# Altium PCB PCB1_1.pcbdoc (part 1 of 3)
Units mil, origin at the board's own origin, x right, y up, seen from the top; angles counter-clockwise.
Board outline 12887.67 x 6224.24 mil, 2 copper layers (Top Layer, Bottom Layer); 396 components, 233 nets, 925 pads, 502 vias.
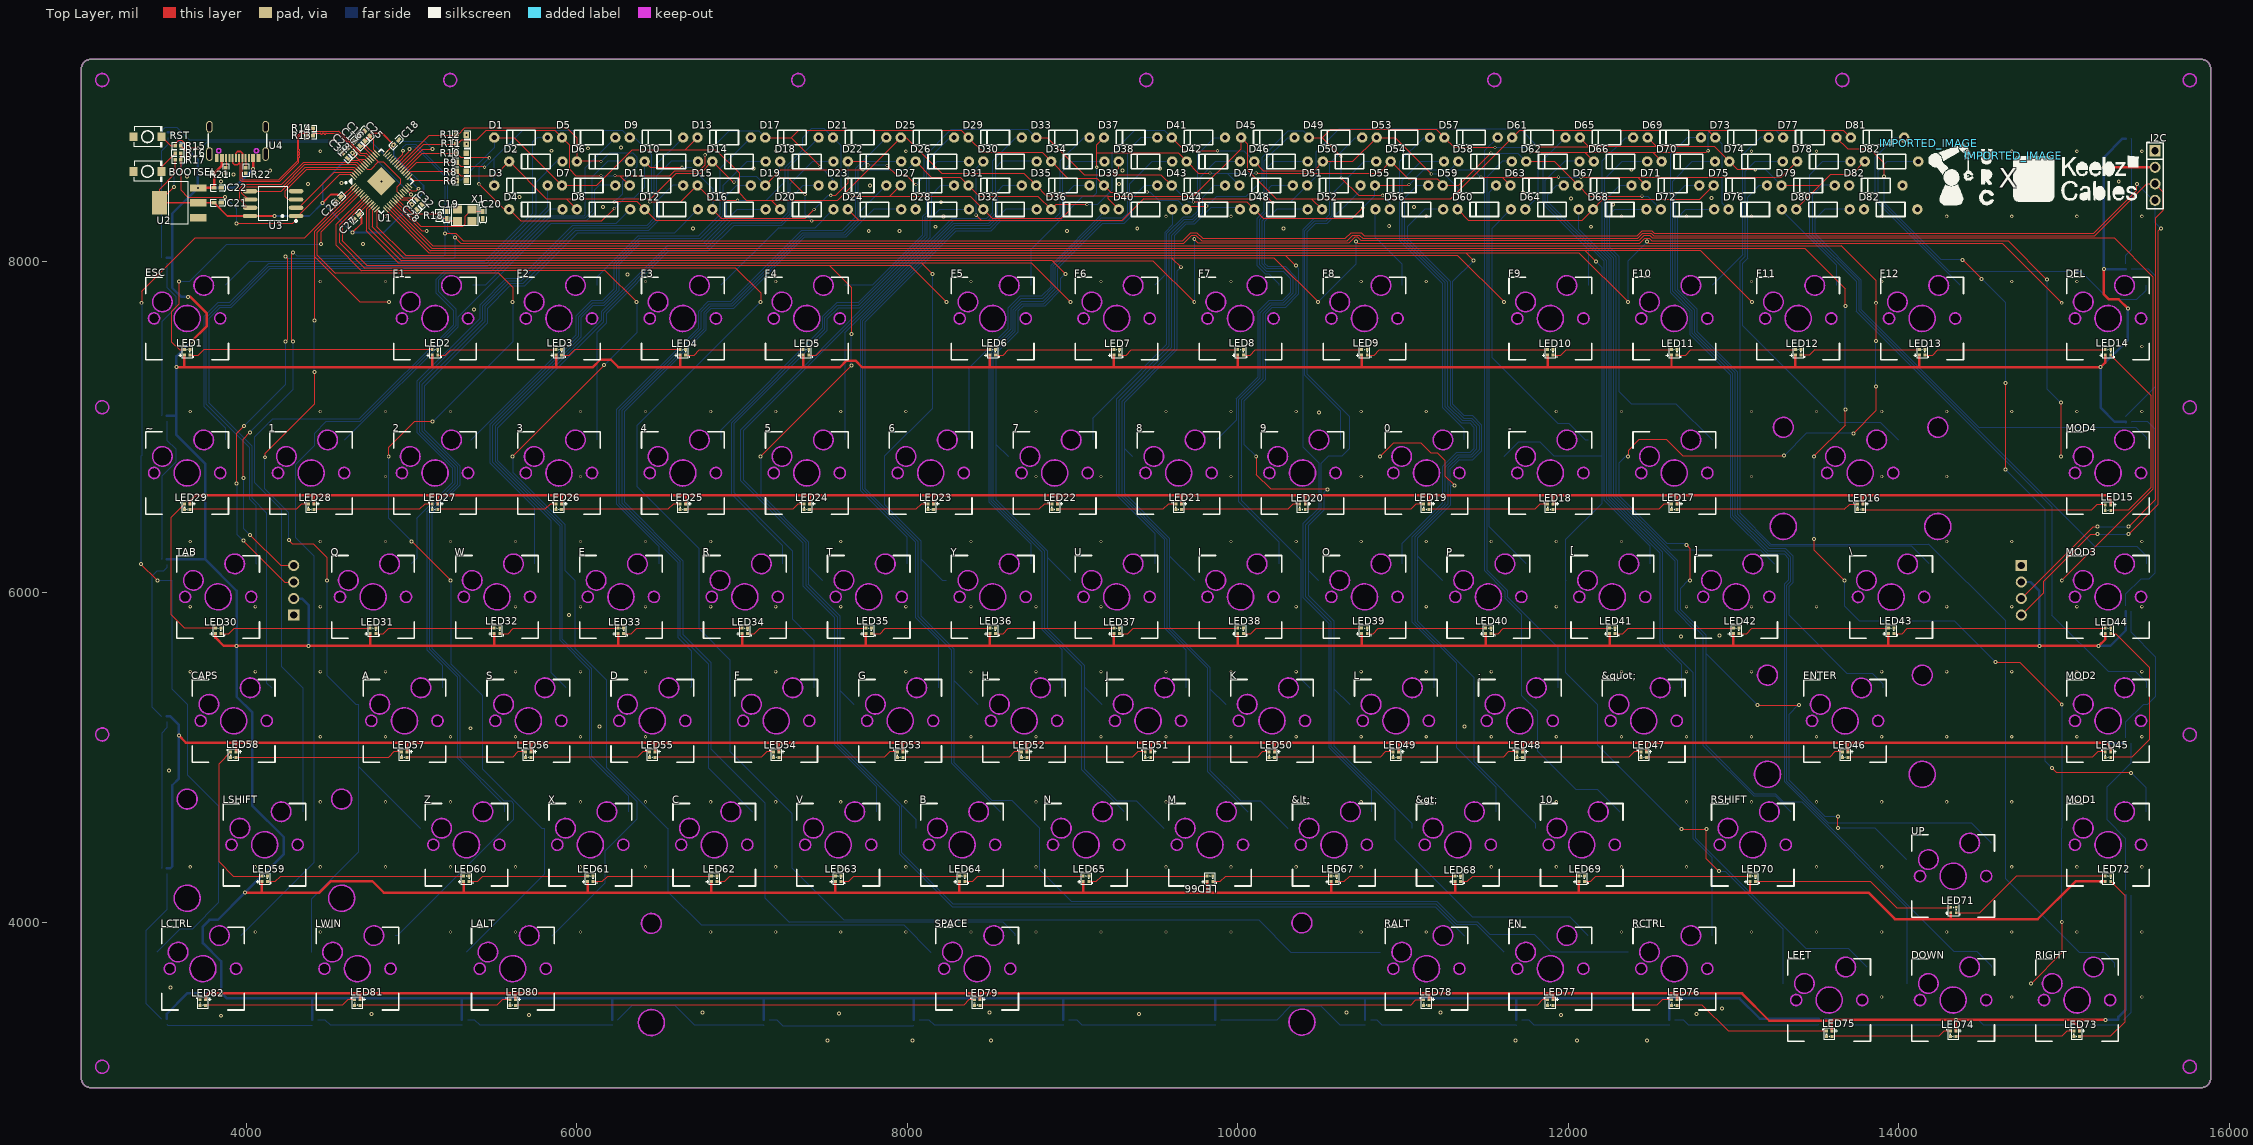
[diagram p0: Top Layer view]
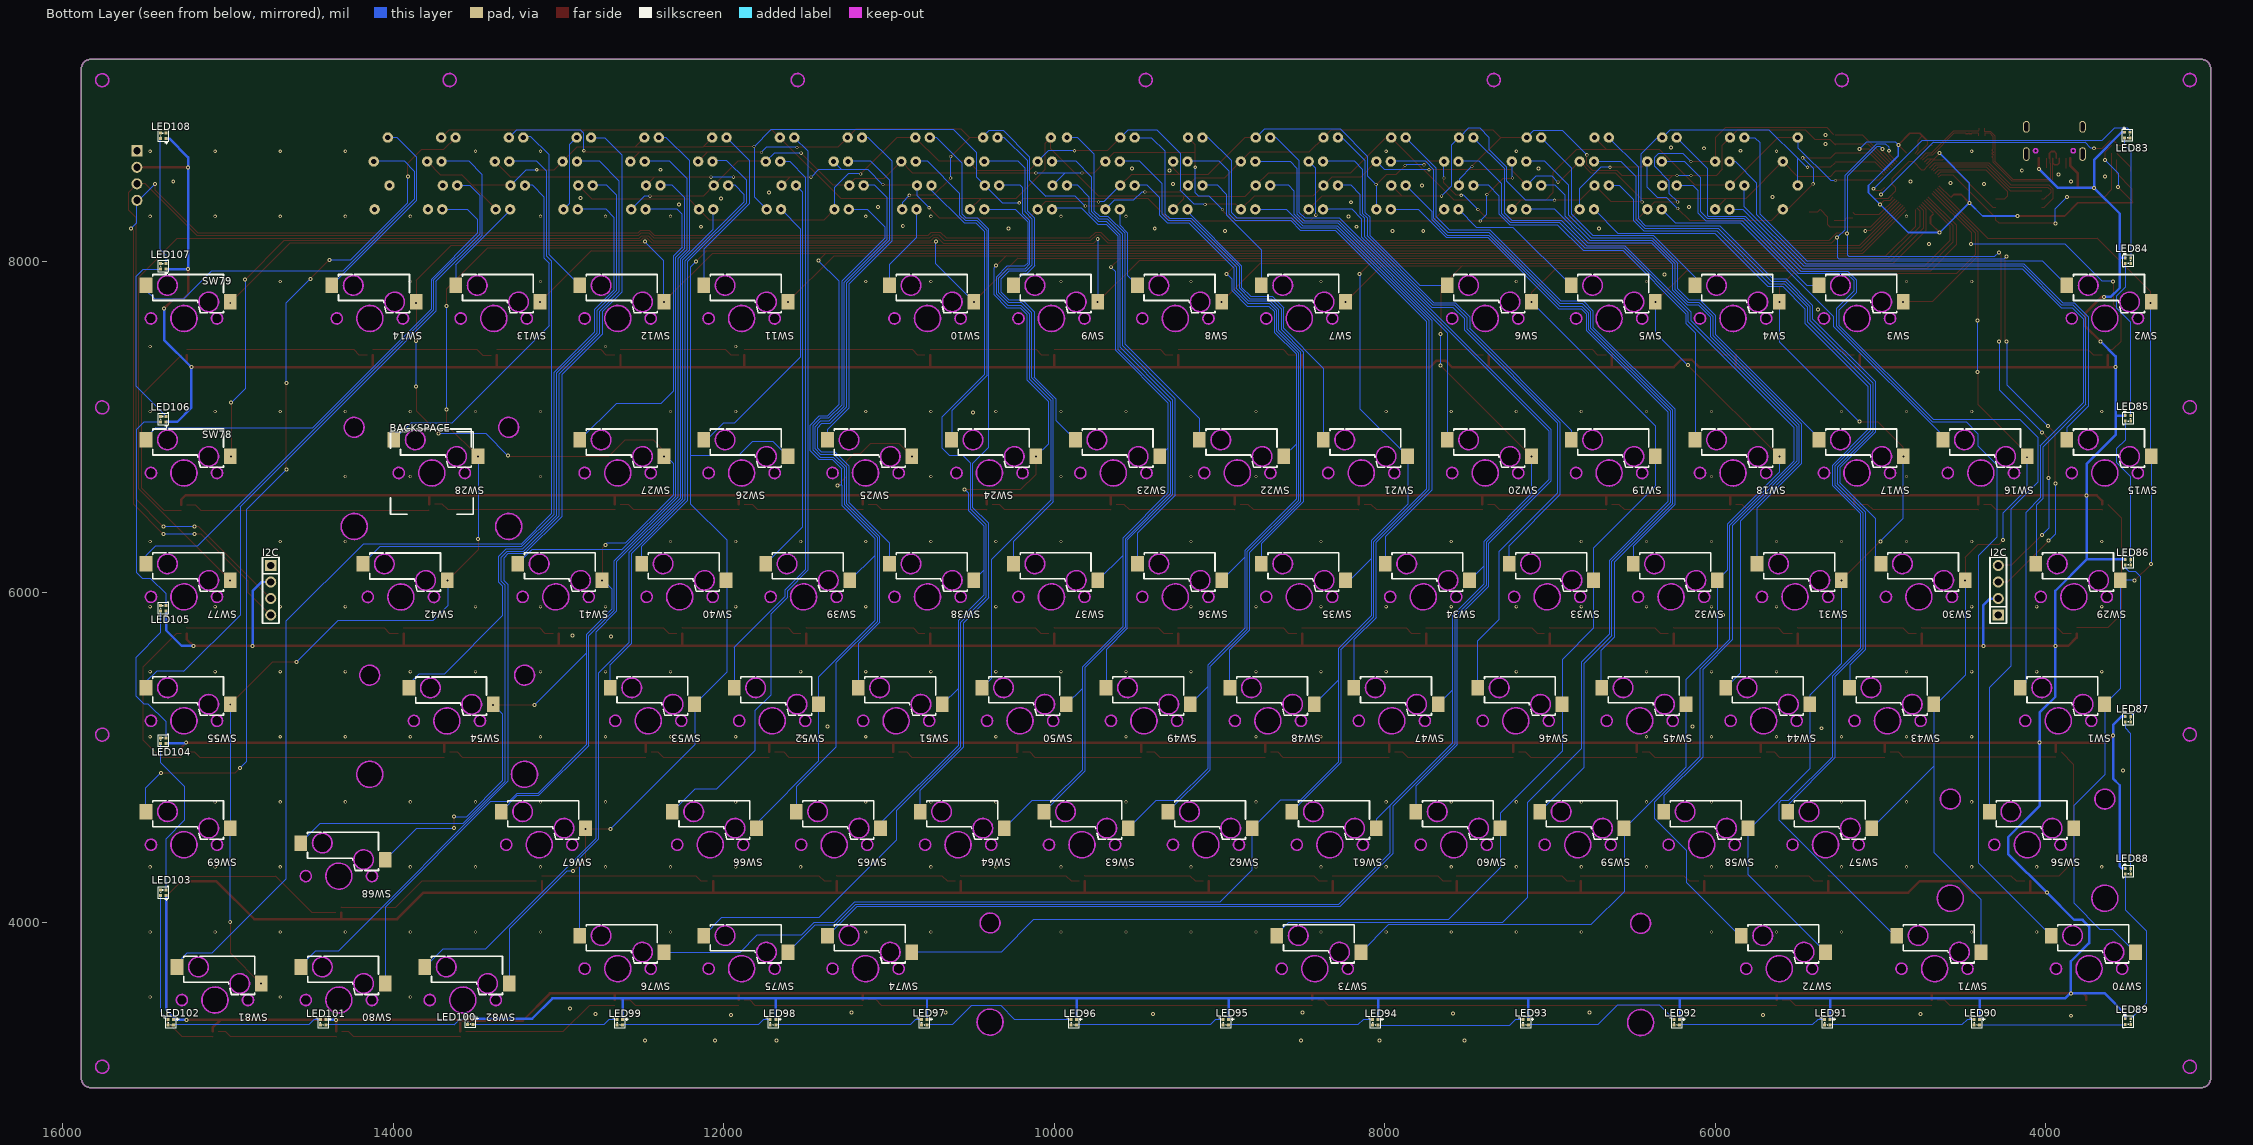
[diagram p1: Bottom Layer view, seen from below]

## Layer stack, top to bottom
Top Layer: signal copper (thickness not stored)
Dielectric: dielectric 12.6, FR-4, Dk 4.8
Bottom Layer: signal copper (thickness not stored)

## Board outline
3059.05,3000 15828.61,3000 ccw(c15828.61,3059.05) 15887.67,3059.05 15887.67,9165.19 ccw(c15828.61,9165.19) 15828.61,9224.24 3059.05,9224.24 ccw(c3059.05,9165.19) 3000,9165.19 3000,3059.05 ccw(c3059.05,3059.05)
cut-out: 6510.55,3994.29 ccw(c6450.51,3994.29) 6390.47,3994.29 ccw(c6450.51,3994.29)
cut-out: 6529.25,3394.29 ccw(c6450.51,3394.29) 6371.77,3394.29 ccw(c6450.51,3394.29)
cut-out: 10466.26,3397.06 ccw(c10387.52,3396.78) 10308.78,3397.06 ccw(c10387.52,3397.34)
cut-out: 10447.56,3997.06 ccw(c10387.52,3996.95) 10327.48,3997.06 ccw(c10387.52,3997.17)
cut-out: 13283.66,4896.71 ccw(c13204.92,4896.71) 13126.18,4896.71 ccw(c13204.92,4896.71)
cut-out: 13264.96,5496.71 ccw(c13204.92,5496.71) 13144.88,5496.71 ccw(c13204.92,5496.71)
cut-out: 14220.67,4896.71 ccw(c14141.93,4896.36) 14063.19,4896.71 ccw(c14141.93,4897.06)
cut-out: 14201.93,5496.71 ccw(c14141.89,5496.63) 14081.85,5496.71 ccw(c14141.89,5496.79)
cut-out: 13360.94,6996.71 ccw(c13300.91,6996.2) 13240.87,6996.71 ccw(c13300.91,6997.22)
cut-out: 13379.68,6396.71 ccw(c13300.94,6396.71) 13222.2,6396.71 ccw(c13300.94,6396.71)
cut-out: 14295.94,6996.71 ccw(c14235.91,6996.2) 14175.87,6996.71 ccw(c14235.91,6997.22)
cut-out: 14314.68,6396.71 ccw(c14235.94,6396.71) 14157.2,6396.71 ccw(c14235.94,6396.71)
cut-out: 4635.94,4746.71 ccw(c4575.91,4746.2) 4515.87,4746.71 ccw(c4575.91,4747.22)
cut-out: 4654.65,4146.71 ccw(c4575.9,4146.71) 4497.16,4146.71 ccw(c4575.9,4146.71)
cut-out: 3700.94,4746.71 ccw(c3640.91,4746.2) 3580.87,4746.71 ccw(c3640.91,4747.22)
cut-out: 3719.65,4146.71 ccw(c3640.9,4146.71) 3562.16,4146.71 ccw(c3640.9,4146.71)

## Design rules (kind name [scope] priority, off if disabled: settings)
BoardOutlineClearance copperThickness1oz [All] p0: genericclearance=10 ignorepadtopadclearanceinfootprint=FALSE except(0: Arc-SplitContinuation Track-SplitContinuation SMDPad-SplitContinuation THPad-SplitContinuation Via-SplitContinuation Fill-SplitContinuation Poly-SplitContinuation Region-SplitContinuation Text-SplitContinuation; 6: SMDPad-CutoutEdge THPad-CutoutEdge Via-CutoutEdge Fill-CutoutEdge Region-CutoutEdge; 11.8: Track-OutlineEdge SMDPad-OutlineEdge THPad-OutlineEdge Via-OutlineEdge Fill-OutlineEdge Region-OutlineEdge Poly-OutlineEdge Text-OutlineEdge Track-CutoutEdge)
BoardOutlineClearance copperThickness2oz [All] p0: genericclearance=10 ignorepadtopadclearanceinfootprint=FALSE except(0: Arc-SplitContinuation Track-SplitContinuation SMDPad-SplitContinuation THPad-SplitContinuation Via-SplitContinuation Fill-SplitContinuation Poly-SplitContinuation Region-SplitContinuation Text-SplitContinuation; 6: SMDPad-CutoutEdge THPad-CutoutEdge Via-CutoutEdge Fill-CutoutEdge Region-CutoutEdge; 11.8: Track-OutlineEdge SMDPad-OutlineEdge THPad-OutlineEdge Via-OutlineEdge Fill-OutlineEdge Region-OutlineEdge Poly-OutlineEdge Text-OutlineEdge Track-CutoutEdge)
Clearance copperThickness1oz [(InNet('C11') OR InNet('C2') OR InNet('C3') OR InNet('C4') OR InNet('C5') OR InNet('C6') OR InNet('C7') OR InNet('C8') OR InNet('C9') OR InNet('C10') OR InNet('R1') OR InNet('R2') OR InNet('R3') OR InNet('R4') OR InNet('R5') OR InNet('R6') OR InNet('C1') OR InNet('GND') OR InNet('XIN') OR InNet('XOUT') OR InNet('$1N33370') OR InNet('C12') OR InNet('C13') OR InNet('C14') OR InNet('$1N13351') OR InNet('$1N13307') OR InNet('QSPI_SD3') OR InNet('QSPI_SCLK') OR InNet('QSPI_SD0') OR InNet('QSPI_SD2') OR InNet('QSPI_SD1') OR InNet('QSPI_SS') OR InNet('VCC') OR InNet('DN') OR InNet('DP') OR InNet('$1N10159') OR InNet('$1N11124') OR InNet('DINUGRGB') OR InNet('DINPKRGB') OR InNet('+3.3V') OR InNet('+1.1V') OR InNet('$1N279593') OR InNet('$1N279591') OR InNet('SDA1') OR InNet('SCL1') OR InNet('$3N114977') OR InNet('$3N114980') OR InNet('$3N114983') OR InNet('$3N114986') OR InNet('$3N114989') OR InNet('$3N114992') OR InNet('$3N114995') OR InNet('$3N114998') OR InNet('$3N118847') OR InNet('$3N115509') OR InNet('$3N115511') OR InNet('$3N115513') OR InNet('$3N115515') OR InNet('$3N115517') OR InNet('$3N115519') OR InNet('$3N115521') OR InNet('$3N115523') OR InNet('$3N115525') OR InNet('$3N118859') OR InNet('$3N116527') OR InNet('$3N116529') OR InNet('$3N116531') OR InNet('$3N116533') OR InNet('$3N116535') OR InNet('$3N116537') OR InNet('$3N116539') OR InNet('$3N116541') OR InNet('$3N116543') OR InNet('$3N118871') OR InNet('$3N116567') OR InNet('$3N116569') OR InNet('$3N116571') OR InNet('$3N116573') OR InNet('$3N116575') OR InNet('$3N116577') OR InNet('$3N116579') OR InNet('$3N116581') OR InNet('$3N116583') OR InNet('$3N118883') OR InNet('$3N118563') OR InNet('$3N118565') OR InNet('$3N118567') OR InNet('$3N118569') OR InNet('$3N118571') OR InNet('$3N118573') OR InNet('$3N118575') OR InNet('$3N118577') OR InNet('$3N118579') OR InNet('$3N118895') OR InNet('$3N118603') OR InNet('$3N118605') OR InNet('$3N118607') OR InNet('$3N118609') OR InNet('$3N118611') OR InNet('$3N118613') OR InNet('$3N118615') OR InNet('$3N118617') OR InNet('$3N118619') OR InNet('$3N118907') OR InNet('$3N118643') OR InNet('$3N118645') OR InNet('$3N118647') OR InNet('$3N118649') OR InNet('$3N118651') OR InNet('$3N118653') OR InNet('$3N118655') OR InNet('$3N118657') OR InNet('$3N118659') OR InNet('$3N118919') OR InNet('$3N118683') OR InNet('$3N118685') OR InNet('$3N118687') OR InNet('$3N118689') OR InNet('$3N118691') OR InNet('$3N118693') OR InNet('$3N118695') OR InNet('$3N118697') OR InNet('$3N118699') OR InNet('$3N118931') OR InNet('$3N118824') OR InNet('$1N381195') OR InNet('$1N381283') OR InNet('$1N381379') OR InNet('$1N381338') OR InNet('$1N381538') OR InNet('$1N381591') OR InNet('$1N381485') OR InNet('$1N381432') OR InNet('$1N381697') OR InNet('$1N381749') OR InNet('$1N381855') OR InNet('$1N381802') OR InNet('$1N381644') OR InNet('$1N382348') OR InNet('$1N382512') OR InNet('$1N382567') OR InNet('$1N382457') OR InNet('$1N382403') OR InNet('$1N382128') OR InNet('$1N382183') OR InNet('$1N382293') OR InNet('$1N382238') OR InNet('$1N382018') OR InNet('$1N382073') OR InNet('$1N381963') OR InNet('$1N381908') OR InNet('$1N382674') OR InNet('$1N382731') OR InNet('$1N382845') OR InNet('$1N382788') OR InNet('$1N383016') OR InNet('$1N383073') OR InNet('$1N382959') OR InNet('$1N382902') OR InNet('$1N383187') OR InNet('$1N383243') OR InNet('$1N383357') OR InNet('$1N383300') OR InNet('$1N383130') OR InNet('$1N383414') OR InNet('$1N382622') OR InNet('$1N384234') OR InNet('$1N385071') OR InNet('$1N384778') OR InNet('$1N384949') OR InNet('$1N385010') OR InNet('$1N384888') OR InNet('$1N384839') OR InNet('$1N384534') OR InNet('$1N384595') OR InNet('$1N384717') OR InNet('$1N384656') OR InNet('$1N384412') OR InNet('$1N384473') OR InNet('$1N384351') OR InNet('$1N384290') OR InNet('$1N383468') OR InNet('$1N383527') OR InNet('$1N383645') OR InNet('$1N383586') OR InNet('$1N383822') OR InNet('$1N383881') OR InNet('$1N383763') OR InNet('$1N383704') OR InNet('$1N383999') OR InNet('$1N384057') OR InNet('$1N384175') OR InNet('$1N384116') OR InNet('$1N383940') OR InNet('$1N385129') OR InNet('$1N385178') OR InNet('$1N385276') OR InNet('$1N385227') OR InNet('$1N385374') OR InNet('$1N385423') OR InNet('$1N385325') OR InNet('$1N385645') OR InNet('$1N385777') OR InNet('$1N385694') OR InNet('$1N385826') OR InNet('$1N385513') OR InNet('$1N385562') OR InNet('$3N124660') OR InNet('$3N125947') OR InNet('$3N125948') OR InNet('$3N125949') OR InNet('$3N125950') OR InNet('$3N125951') OR InNet('$3N125952') OR InNet('$3N125953') OR InNet('$3N125954') OR InNet('$3N125955') OR InNet('$3N125975') OR InNet('$3N125958') OR InNet('$3N125959') OR InNet('$3N125960') OR InNet('$3N125961') OR InNet('$3N125962') OR InNet('$3N125963') OR InNet('$3N125964') OR InNet('$3N125965') OR InNet('$3N125966') OR InNet('$3N125976') OR InNet('$3N125969') OR InNet('$3N125970') OR InNet('$3N125971') OR InNet('$3N125972') OR InNet('$3N125973'))] p1: gap=7 ignorepadtopadclearanceinfootprint=FALSE except(4: Track-Track; 6: Track-SMDPad SMDPad-SMDPad Track-THPad SMDPad-THPad THPad-THPad Track-Via SMDPad-Via THPad-Via Via-Via Track-Fill SMDPad-Fill THPad-Fill Via-Fill Fill-Fill SMDPad-Region THPad-Region Via-Region Fill-Region Region-Region Track-Poly SMDPad-Poly THPad-Poly Via-Poly Fill-Poly Poly-Poly Track-Text SMDPad-Text THPad-Text Via-Text Fill-Text Region-Text Poly-Text Text-Text Track-Hole SMDPad-Hole THPad-Hole Via-Hole Fill-Hole Region-Hole Poly-Hole Text-Hole; 11.8: Track-Region Region-Poly Track-Sheet SMDPad-Sheet THPad-Sheet Via-Sheet Fill-Sheet Region-Sheet Poly-Sheet Text-Sheet Sheet-Hole)
Clearance copperThickness2oz [All] p1: gap=7 ignorepadtopadclearanceinfootprint=FALSE except(6: Track-SMDPad SMDPad-SMDPad Track-THPad SMDPad-THPad THPad-THPad Track-Via SMDPad-Via THPad-Via Via-Via Track-Fill SMDPad-Fill THPad-Fill Via-Fill Fill-Fill SMDPad-Region THPad-Region Via-Region Fill-Region Region-Region Track-Poly SMDPad-Poly THPad-Poly Via-Poly Fill-Poly Poly-Poly Track-Text SMDPad-Text THPad-Text Via-Text Fill-Text Region-Text Poly-Text Text-Text Track-Hole SMDPad-Hole THPad-Hole Via-Hole Fill-Hole Region-Hole Poly-Hole Text-Hole; 8: Track-Track; 11.8: Track-Region Region-Poly Track-Sheet SMDPad-Sheet THPad-Sheet Via-Sheet Fill-Sheet Region-Sheet Poly-Sheet Text-Sheet Sheet-Hole)
DiffPairsRouting differentialPair [All] p1: maxuncoupledlength=10 minlimit=5.9843 maxlimit=5.9843 mostfreqgap=5.9843 toplayer_minwidth=5 toplayer_prefwidth=10 toplayer_maxwidth=100 bottomlayer_minwidth=5 bottomlayer_prefwidth=10 bottomlayer_maxwidth=100
PasteMaskExpansion pasteMaskExpansion [All] p1: expansion=0
PlaneConnect innerPlane [All] p1: planeconnectstyle=Relief reliefexpansion=20 reliefentries=4 reliefconductorwidth=10 reliefairgap=10
PolygonConnect copperRegion [All] p1: connectstyle=Direct reliefentries=4 reliefconductorwidth=10 polygonreliefangle="90 Angle" airgapwidth=10
RoutingVias viaSize [All] p1: viastyle="Through Hole" holewidth=11.811 minholewidth=11.811 maxholewidth=248.0314 width=19.685 minwidth=19.685 maxwidth=393.7008
SolderMaskExpansion solderMaskExpansion [All] p1: useseparateexpansions=TRUE expansion=2.0079 expansionbottom=2.0079
Width copperThickness1oz [All] p1: maxlimit=100 minlimit=5 preferedwidth=10
Width copperThickness2oz [All] p1: maxlimit=100 minlimit=8 preferedwidth=10

## Components (designator, comment, footprint, x,y, rotation, side; value= is the part's Value field where it differs from the comment)
0 "CHERRY-MX-SW-1U" CHERRY-MX-PCB-1U 11140.91,6720.51 r0 top
1 "CHERRY-MX-SW-1U" CHERRY-MX-PCB-1U 4390.9,6720.51 r0 top
2 "CHERRY-MX-SW-1U" CHERRY-MX-PCB-1U 5140.9,6720.51 r0 top
3 "CHERRY-MX-SW-1U" CHERRY-MX-PCB-1U 5890.9,6720.51 r0 top
4 "CHERRY-MX-SW-1U" CHERRY-MX-PCB-1U 6640.9,6720.51 r0 top
5 "CHERRY-MX-SW-1U" CHERRY-MX-PCB-1U 7390.9,6720.51 r0 top
6 "CHERRY-MX-SW-1U" CHERRY-MX-PCB-1U 8140.9,6720.51 r0 top
7 "CHERRY-MX-SW-1U" CHERRY-MX-PCB-1U 8890.91,6720.51 r0 top
8 "CHERRY-MX-SW-1U" CHERRY-MX-PCB-1U 9640.91,6720.51 r0 top
9 "CHERRY-MX-SW-1U" CHERRY-MX-PCB-1U 10390.91,6720.51 r0 top
10 "CHERRY-MX-SW-1U" CHERRY-MX-PCB-1U 12080.91,4470.51 r0 top
&gt; "CHERRY-MX-SW-1U" CHERRY-MX-PCB-1U 11330.91,4470.51 r0 top
&lt; "CHERRY-MX-SW-1U" CHERRY-MX-PCB-1U 10580.91,4470.51 r0 top
&quot; "CHERRY-MX-SW-1U" CHERRY-MX-PCB-1U 12455.91,5220.51 r0 top
- "CHERRY-MX-SW-1U" CHERRY-MX-PCB-1U 11890.91,6720.51 r0 top
; "CHERRY-MX-SW-1U" CHERRY-MX-PCB-1U 11705.91,5220.51 r0 top
[ "CHERRY-MX-SW-1U" CHERRY-MX-PCB-1U 12265.91,5970.51 r0 top
\ "CHERRY-MX-SW-1U" CHERRY-MX-PCB-1U 13953.29,5970.07 r0 top
] "CHERRY-MX-SW-1U" CHERRY-MX-PCB-1U 13015.91,5970.51 r0 top
A "CHERRY-MX-SW-1U" CHERRY-MX-PCB-1U 4955.9,5220.51 r0 top
B "CHERRY-MX-SW-1U" CHERRY-MX-PCB-1U 8330.91,4470.51 r0 top
BACKSPACE "CHERRY-MX-SW-1U" CHERRY-MX-PCB-1U 13765.91,6720.51 r180 bottom
BOOTSEL "TS-1088-AR02016" SW-SMD_L3.9-W3.0-P4.45 3400.91,8545.51 r0 top
C "CHERRY-MX-SW-1U" CHERRY-MX-PCB-1U 6830.9,4470.51 r0 top
C16 "CL05A105KA5NQNC" C0402 4700.9,8745.51 r135 top
C17 "CL05A105KA5NQNC" C0402 4670.9,8715.51 r315 top
C18 "CL05B104KO5NNNC" C0402 4906.08,8720.68 r45 top
C19 "0402CG330J500NT" C0402 5210.9,8280.51 r90 top
C20 "0402CG330J500NT" C0402 5430.9,8280.51 r90 top
C21 "CL05A106MQ5NUNC" C0402 3825.91,8355.51 r180 top
C22 "CL05A106MQ5NUNC" C0402 3825.91,8445.51 r180 top
C23 "CL05B104KO5NNNC" C0402 4625.9,8670.51 r315 top
C25 "CL05B104KO5NNNC" C0402 4730.9,8775.51 r315 top
C26 "CL05B104KO5NNNC" C0402 4555.9,8375.51 r45 top
C27 "CL05B104KO5NNNC" C0402 4665.9,8270.51 r45 top
C28 "CL05B104KO5NNNC" C0402 5015.9,8330.51 r135 top
C31 "CL05B104KO5NNNC" C0402 4595.9,8640.51 r315 top
C32 "CL05B104KO5NNNC" C0402 5045.9,8360.51 r135 top
CAPS "CHERRY-MX-SW-1U" CHERRY-MX-PCB-1U 3922.6,5220.47 r0 top
D "CHERRY-MX-SW-1U" CHERRY-MX-PCB-1U 6455.9,5220.51 r0 top
D1 "1N4148_C14538" DO-35_BD2.0-L4.2-P8.20-D0.5-RD 5660.9,8750.51 r0 top
D2 "1N4148_C14538" DO-35_BD2.0-L4.2-P8.20-D0.5-RD 5750.9,8605.51 r0 top
D3 "1N4148_C14538" DO-35_BD2.0-L4.2-P8.20-D0.5-RD 5660.9,8460.51 r0 top
D4 "1N4148_C14538" DO-35_BD2.0-L4.2-P8.20-D0.5-RD 5750.9,8315.51 r0 top
D5 "1N4148_C14538" DO-35_BD2.0-L4.2-P8.20-D0.5-RD 6070.9,8750.51 r0 top
D6 "1N4148_C14538" DO-35_BD2.0-L4.2-P8.20-D0.5-RD 6160.9,8605.51 r0 top
D7 "1N4148_C14538" DO-35_BD2.0-L4.2-P8.20-D0.5-RD 6070.9,8460.51 r0 top
D8 "1N4148_C14538" DO-35_BD2.0-L4.2-P8.20-D0.5-RD 6160.9,8315.51 r0 top
D9 "1N4148_C14538" DO-35_BD2.0-L4.2-P8.20-D0.5-RD 6480.9,8750.51 r0 top
D10 "1N4148_C14538" DO-35_BD2.0-L4.2-P8.20-D0.5-RD 6570.9,8605.51 r0 top
D11 "1N4148_C14538" DO-35_BD2.0-L4.2-P8.20-D0.5-RD 6480.9,8460.51 r0 top
D12 "1N4148_C14538" DO-35_BD2.0-L4.2-P8.20-D0.5-RD 6570.9,8315.51 r0 top
D13 "1N4148_C14538" DO-35_BD2.0-L4.2-P8.20-D0.5-RD 6890.9,8750.51 r0 top
D14 "1N4148_C14538" DO-35_BD2.0-L4.2-P8.20-D0.5-RD 6980.9,8605.51 r0 top
D15 "1N4148_C14538" DO-35_BD2.0-L4.2-P8.20-D0.5-RD 6890.9,8460.51 r0 top
D16 "1N4148_C14538" DO-35_BD2.0-L4.2-P8.20-D0.5-RD 6980.9,8315.51 r0 top
D17 "1N4148_C14538" DO-35_BD2.0-L4.2-P8.20-D0.5-RD 7300.9,8750.51 r0 top
D18 "1N4148_C14538" DO-35_BD2.0-L4.2-P8.20-D0.5-RD 7390.9,8605.51 r0 top
D19 "1N4148_C14538" DO-35_BD2.0-L4.2-P8.20-D0.5-RD 7300.9,8460.51 r0 top
D20 "1N4148_C14538" DO-35_BD2.0-L4.2-P8.20-D0.5-RD 7390.9,8315.51 r0 top
D21 "1N4148_C14538" DO-35_BD2.0-L4.2-P8.20-D0.5-RD 7710.9,8750.51 r0 top
D22 "1N4148_C14538" DO-35_BD2.0-L4.2-P8.20-D0.5-RD 7800.9,8605.51 r0 top
D23 "1N4148_C14538" DO-35_BD2.0-L4.2-P8.20-D0.5-RD 7710.9,8460.51 r0 top
D24 "1N4148_C14538" DO-35_BD2.0-L4.2-P8.20-D0.5-RD 7800.9,8315.51 r0 top
D25 "1N4148_C14538" DO-35_BD2.0-L4.2-P8.20-D0.5-RD 8120.9,8750.51 r0 top
D26 "1N4148_C14538" DO-35_BD2.0-L4.2-P8.20-D0.5-RD 8210.91,8605.51 r0 top
D27 "1N4148_C14538" DO-35_BD2.0-L4.2-P8.20-D0.5-RD 8120.9,8460.51 r0 top
D28 "1N4148_C14538" DO-35_BD2.0-L4.2-P8.20-D0.5-RD 8210.91,8315.51 r0 top
D29 "1N4148_C14538" DO-35_BD2.0-L4.2-P8.20-D0.5-RD 8530.91,8750.51 r0 top
D30 "1N4148_C14538" DO-35_BD2.0-L4.2-P8.20-D0.5-RD 8620.91,8605.51 r0 top
D31 "1N4148_C14538" DO-35_BD2.0-L4.2-P8.20-D0.5-RD 8530.91,8460.51 r0 top
D32 "1N4148_C14538" DO-35_BD2.0-L4.2-P8.20-D0.5-RD 8620.91,8315.51 r0 top
D33 "1N4148_C14538" DO-35_BD2.0-L4.2-P8.20-D0.5-RD 8940.91,8750.51 r0 top
D34 "1N4148_C14538" DO-35_BD2.0-L4.2-P8.20-D0.5-RD 9030.91,8605.51 r0 top
D35 "1N4148_C14538" DO-35_BD2.0-L4.2-P8.20-D0.5-RD 8940.91,8460.51 r0 top
D36 "1N4148_C14538" DO-35_BD2.0-L4.2-P8.20-D0.5-RD 9030.91,8315.51 r0 top
D37 "1N4148_C14538" DO-35_BD2.0-L4.2-P8.20-D0.5-RD 9350.91,8750.51 r0 top
D38 "1N4148_C14538" DO-35_BD2.0-L4.2-P8.20-D0.5-RD 9440.91,8605.51 r0 top
D39 "1N4148_C14538" DO-35_BD2.0-L4.2-P8.20-D0.5-RD 9350.91,8460.51 r0 top
D40 "1N4148_C14538" DO-35_BD2.0-L4.2-P8.20-D0.5-RD 9440.91,8315.51 r0 top
D41 "1N4148_C14538" DO-35_BD2.0-L4.2-P8.20-D0.5-RD 9760.91,8750.51 r0 top
D42 "1N4148_C14538" DO-35_BD2.0-L4.2-P8.20-D0.5-RD 9850.91,8605.51 r0 top
D43 "1N4148_C14538" DO-35_BD2.0-L4.2-P8.20-D0.5-RD 9760.91,8460.51 r0 top
D44 "1N4148_C14538" DO-35_BD2.0-L4.2-P8.20-D0.5-RD 9850.91,8315.51 r0 top
D45 "1N4148_C14538" DO-35_BD2.0-L4.2-P8.20-D0.5-RD 10180.91,8750.51 r0 top
D46 "1N4148_C14538" DO-35_BD2.0-L4.2-P8.20-D0.5-RD 10260.91,8605.51 r0 top
D47 "1N4148_C14538" DO-35_BD2.0-L4.2-P8.20-D0.5-RD 10170.91,8460.51 r0 top
D48 "1N4148_C14538" DO-35_BD2.0-L4.2-P8.20-D0.5-RD 10260.91,8315.51 r0 top
D49 "1N4148_C14538" DO-35_BD2.0-L4.2-P8.20-D0.5-RD 10590.91,8750.51 r0 top
D50 "1N4148_C14538" DO-35_BD2.0-L4.2-P8.20-D0.5-RD 10675.91,8605.51 r0 top
D51 "1N4148_C14538" DO-35_BD2.0-L4.2-P8.20-D0.5-RD 10580.91,8460.51 r0 top
D52 "1N4148_C14538" DO-35_BD2.0-L4.2-P8.20-D0.5-RD 10670.91,8315.51 r0 top
D53 "1N4148_C14538" DO-35_BD2.0-L4.2-P8.20-D0.5-RD 11000.91,8750.51 r0 top
D54 "1N4148_C14538" DO-35_BD2.0-L4.2-P8.20-D0.5-RD 11085.91,8605.51 r0 top
D55 "1N4148_C14538" DO-35_BD2.0-L4.2-P8.20-D0.5-RD 10990.91,8460.51 r0 top
D56 "1N4148_C14538" DO-35_BD2.0-L4.2-P8.20-D0.5-RD 11080.91,8315.51 r0 top
D57 "1N4148_C14538" DO-35_BD2.0-L4.2-P8.20-D0.5-RD 11410.91,8750.51 r0 top
D58 "1N4148_C14538" DO-35_BD2.0-L4.2-P8.20-D0.5-RD 11495.91,8605.51 r0 top
D59 "1N4148_C14538" DO-35_BD2.0-L4.2-P8.20-D0.5-RD 11400.91,8460.51 r0 top
D60 "1N4148_C14538" DO-35_BD2.0-L4.2-P8.20-D0.5-RD 11490.91,8315.51 r0 top
D61 "1N4148_C14538" DO-35_BD2.0-L4.2-P8.20-D0.5-RD 11820.91,8750.51 r0 top
D62 "1N4148_C14538" DO-35_BD2.0-L4.2-P8.20-D0.5-RD 11905.91,8605.51 r0 top
D63 "1N4148_C14538" DO-35_BD2.0-L4.2-P8.20-D0.5-RD 11810.91,8460.51 r0 top
D64 "1N4148_C14538" DO-35_BD2.0-L4.2-P8.20-D0.5-RD 11900.91,8315.51 r0 top
D65 "1N4148_C14538" DO-35_BD2.0-L4.2-P8.20-D0.5-RD 12230.91,8750.51 r0 top
D66 "1N4148_C14538" DO-35_BD2.0-L4.2-P8.20-D0.5-RD 12315.91,8605.51 r0 top
D67 "1N4148_C14538" DO-35_BD2.0-L4.2-P8.20-D0.5-RD 12220.91,8460.51 r0 top
D68 "1N4148_C14538" DO-35_BD2.0-L4.2-P8.20-D0.5-RD 12310.91,8315.51 r0 top
D69 "1N4148_C14538" DO-35_BD2.0-L4.2-P8.20-D0.5-RD 12640.91,8750.51 r0 top
D70 "1N4148_C14538" DO-35_BD2.0-L4.2-P8.20-D0.5-RD 12725.91,8605.51 r0 top
D71 "1N4148_C14538" DO-35_BD2.0-L4.2-P8.20-D0.5-RD 12630.91,8460.51 r0 top
D72 "1N4148_C14538" DO-35_BD2.0-L4.2-P8.20-D0.5-RD 12720.91,8315.51 r0 top
D73 "1N4148_C14538" DO-35_BD2.0-L4.2-P8.20-D0.5-RD 13050.91,8750.51 r0 top
D74 "1N4148_C14538" DO-35_BD2.0-L4.2-P8.20-D0.5-RD 13135.91,8605.51 r0 top
D75 "1N4148_C14538" DO-35_BD2.0-L4.2-P8.20-D0.5-RD 13040.91,8460.51 r0 top
D76 "1N4148_C14538" DO-35_BD2.0-L4.2-P8.20-D0.5-RD 13130.91,8315.51 r0 top
D77 "1N4148_C14538" DO-35_BD2.0-L4.2-P8.20-D0.5-RD 13460.91,8750.51 r0 top
D78 "1N4148_C14538" DO-35_BD2.0-L4.2-P8.20-D0.5-RD 13545.91,8605.51 r0 top
D79 "1N4148_C14538" DO-35_BD2.0-L4.2-P8.20-D0.5-RD 13450.91,8460.51 r0 top
D80 "1N4148_C14538" DO-35_BD2.0-L4.2-P8.20-D0.5-RD 13540.91,8315.51 r0 top
D81 "1N4148_C14538" DO-35_BD2.0-L4.2-P8.20-D0.5-RD 13870.91,8750.51 r0 top
D82 "1N4148_C14538" DO-35_BD2.0-L4.2-P8.20-D0.5-RD 13955.91,8605.51 r0 top
D82 "1N4148_C14538" DO-35_BD2.0-L4.2-P8.20-D0.5-RD 13860.91,8460.51 r0 top
D82 "1N4148_C14538" DO-35_BD2.0-L4.2-P8.20-D0.5-RD 13950.91,8315.51 r0 top
DEL "CHERRY-MX-SW-1U" CHERRY-MX-PCB-1U 15265.91,7655.51 r0 top
DOWN "CHERRY-MX-SW-1U" CHERRY-MX-PCB-1U 14328.48,3530.71 r0 top